# KiCad board LV_PCB.kicad_pcb (continued)
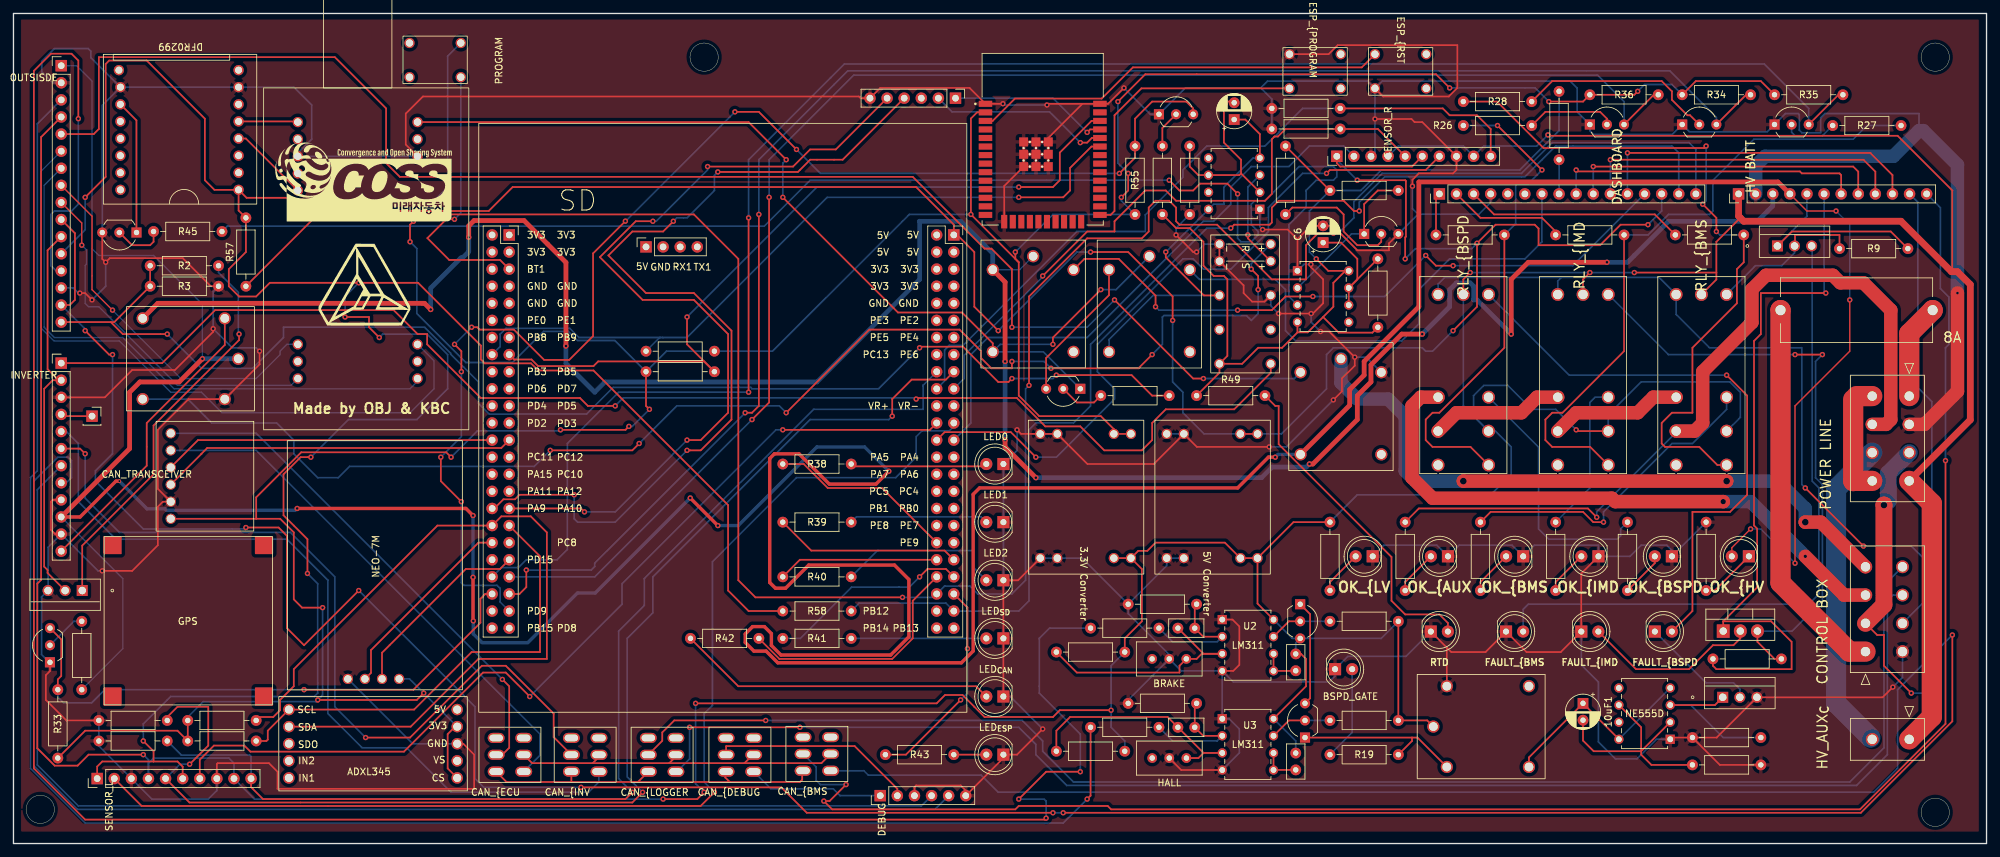
[diagram p0: board, top side]
## Nets (continued)
Net-(Q12-Pad2): Q12.2 R45.1
Net-(Q13-Pad1): Q13.1 R50.1 U14.2
Net-(Q13-Pad2): Q13.2 R51.1
Net-(Q14-Pad2): Q14.2 R47.2
Net-(R10-Pad1): R10.1 RLY1.5
Net-(R11-Pad1): R11.1 R28.1 RLY1.6
Net-(R13-Pad1): R13.1 RLY2.5
Net-(R14-Pad1): R14.1 R27.1 RLY2.6
Net-(R15-Pad1): R15.1 RLY3.5
Net-(R16-Pad1): R16.1 R26.1 RLY3.6
Net-(R38-Pad1): R38.1 U15.41
Net-(R39-Pad1): R39.1 U15.42
Net-(R40-Pad1): R40.1 U15.43
Net-(R41-Pad1): R41.1 U15.44
Net-(R42-Pad1): R42.1 U15.45
Net-(R43-Pad1): R43.1 U15.46
Net-(R45-Pad2): R45.2 U14.3
Net-(RLY1-Pad8): RLY1.8 RLY2.7
Net-(RLY2-Pad8): RLY2.8 RLY3.7
Net-(SW2-Pad2): SW2.2 U11.3
Net-(SW3-Pad1): SW3.1 SW4.1 SW5.1 SW6.1 SW7.1
Net-(SW3-Pad4): SW3.4 SW4.4 SW5.4 SW6.4 SW7.4
Net-(SW6-Pad3): CAN_TRANSCEIVER.6 SW6.3
Net-(SW6-Pad6): CAN_TRANSCEIVER.5 SW6.6
Net-(SW8-Pad1): SW8.1 U11.25
Net-(SW9-Pad2): PROGRAM.2 U15.94
Net-(U12-Pad4): U8.7 U12.4
Net-(U12-Pad5): U8.9 U12.5

Pads without a net: ACC 6 8 9 12 22; DASHBOARD 5 6; J11 3; K1 1; K2 1; K4 1; K5 1; K6 6 11; RLY1 9; RLY2 9; RLY3 9; RV1 3; RV2 3; SW3 2 5; SW4 2 5; SW5 2 5; SW6 2 5; SW7 2 5; U1 5 7; U8 x; U11 4 5 6 7 8 9 10 11 12 13 14 16 17 18 19 20 21 22 23 24 26 27 28 29 30 31 32 37; U12 2 3 6 8 9 12 13 14 15 16; U13 5 7; U14 5; U15 110 111 112 113 X

## Via types
v1: diameter 0.8, hole 0.4, Top to Bottom, 212 vias
v2: diameter 1, hole 0.4, Top to Bottom, 1 via
v3: diameter 1, hole 0.5, Top to Bottom, 1 via
v4: diameter 2, hole 0.8, Top to Bottom, 1 via
v5: diameter 2, hole 1, Top to Bottom, 3 vias
v6: diameter 0.5, hole 0.3, Top to Bottom, 1 via
v7: diameter 2.5, hole 1, Top to Bottom, 1 via

## Routing (per net, layer and track width the routed paths; a pad name or vN(x,y) marks a point on that pad's centre or on a via; arc(x,y) is an arc through that point)
/3.3V: length 557.5
  Top w0.25: v1(165.59,99.57) 165.59,97.03 v1(164.58,96.01) ; U6.3 U6.3 163.46,61.56 161.53,63.5 152.38,63.5 149.34,66.55 149.34,86.36 ; 65.92,9.75 64.5,11.17 64.5,16.26 65.61,17.37 65.92,17.37 ; v1(148.83,87.88) 148.83,86.87 149.34,86.36 ; v1(241.28,111.76) 240.78,111.25 R36.2 233.16,110.24 v1(228.08,110.24) ; v1(45.2,21.33) 45.2,21.34 59.92,21.34 v1(60.94,22.36) ; R35.2 259.57,113.28 249.92,113.28 R34.2 ; v1(213.34,112.27) 211.31,114.3 168.13,114.3 v1(164.07,110.24) ; 149.34,86.36 v1(142.22,93.47) 142.22,107.72 143.14,108.64 U11.2 ; v1(65.01,57.4) 64.28,58.13 42.74,58.13 36.06,51.44 36.06,48.25 ; v1(81.26,61.47) 90.92,61.47 v1(91.42,61.98) ; v1(45.92,35.05) 42.87,35.05 41.64,36.28 41.64,46.23 39.62,48.25 36.06,48.25 ; v1(94.47,64.52) 93.96,65.02 R54.2 ; 36.06,48.25 CAN_TRANSCEIVER.1 ; v1(58.91,89.41) 58.91,91.95 v1(59.42,92.46) ; R33.2 10.65,16.76 24.37,16.76 R53.2 25.89,18.8
  Bottom w0.25: v1(164.58,96.01) 164.58,95.5 R55.2 154.42,93.47 v1(148.83,87.88) ; 65.92,17.37 60.94,22.35 v1(60.94,22.36) 58.84,24.46 U10.1 ; v1(91.42,61.98) 91.93,61.98 v1(94.47,64.52) ; PROGRAM.1 64.5,116.99 64.5,97.54 v1(59.42,92.46) ; v1(81.26,61.47) 81.11,61.31 68.91,61.31 v1(65.01,57.4) ; 25.89,18.8 28.18,21.08 44.95,21.08 v1(45.2,21.33) 45.92,22.05 v1(45.92,35.05) ; v1(241.28,111.76) 242.3,112.78 246.36,112.78 R34.2 ; v1(142.22,93.47) 133.08,93.47 112.76,73.15 R52.2 97.01,73.15 R54.2 89.33,74.73 83.81,74.73 82.44,76.1 78.76,76.1 74.13,71.47 67.2,71.47 59.93,78.74 59.93,88.39 v1(58.91,89.41) ; v1(164.07,110.24) 164.07,101.09 v1(165.59,99.57) ; v1(228.08,110.24) 226.04,112.27 v1(213.34,112.27)
ACC_{SCL}: length 69.1
  Top w0.25: R53.1 37.58,15.24 37.78,15.44 37.78,16.76 ACC.14 59.52,19.91 68.06,28.45 78.22,28.45 78.22,42.67 U15.67
ACC_{SDA}: length 120.4
  Top w0.25: R56.1 36.56,18.8 38.59,18.8 39.61,19.81 39.61,21.34 41.64,23.37 41.64,25.91 62.98,47.24 U15.66 72.47,48.61 76.85,48.61 79.23,46.23 79.23,27.43 69.07,27.43 59.01,17.37 40.92,17.37
ADC2_IN0: length 173.5
  Top w0.25: v1(104.12,7.62) 102.09,5.59 19.04,5.59 SENSOR_L.2
  Bottom w0.25: U15.23 139.69,61.98 139.02,61.31 134.95,61.31 134.1,60.45 134.1,57.4 131.05,54.36 116.32,54.36 103.83,41.87 103.83,20.53 102.6,19.3 102.6,9.14 v1(104.12,7.62)
ADC2_IN1: length 138.5
  Top w0.25: v1(114.28,61.47) 136.13,61.47 U15.24 ; v1(76.69,21.84) 76.69,21.84 76.69,21.84 73.14,25.4 69.75,25.4 58,13.65 35.2,13.65 34.3,14.55 29.78,14.55 27.67,12.45 SENSOR_L.7
  Bottom w0.25: v1(114.28,61.47) 113.27,61.47 90.41,38.61 90.41,35.56 v1(76.69,21.84)
ADC2_IN2: length 85.6
  Bottom w0.25: SENSOR_R.2 197.6,103.63 192.52,103.63 189.47,100.58 183.88,100.58 180.83,97.54 180.83,95 178.29,92.46 176.77,92.46 159.5,75.18 144.76,75.18 142.22,72.64 142.22,62.48 U15.25
ADC2_IN3: length 106.9
  Top w0.25: SENSOR_R.7 209.79,100.08 195.56,100.08 v1(195.06,99.57) ; v1(151.88,57.4) 148.16,61.12 138.32,61.12 U15.26
  Bottom w0.25: v1(195.06,99.57) 191.5,99.57 186.42,94.49 186.42,90.93 180.83,85.34 176.77,85.34 175.24,86.87 173.72,86.87 161.02,74.17 161.02,70.1 163.56,67.56 163.56,66.04 154.92,57.4 v1(151.88,57.4)
ADC3_IN10: length 187.7
  Top w0.25: R5.1 22.84,18.8 24.37,20.32 28.94,20.32 28.94,14.55 v1(26.17,11.79) ; SENSOR_L.5 26.15,6.1 91.93,6.1 v1(93.46,7.62) ; v1(130.54,63.5) 130.54,66.04 133.43,68.93 138.51,68.93 U15.15
  Bottom w0.25: v1(26.17,11.79) 24.73,11.79 SENSOR_L.5 ; v1(93.46,7.62) 91.17,9.91 91.17,30.48 94.98,34.29 94.98,39.62 118.35,62.99 130.03,62.99 v1(130.54,63.5)
ADC3_IN11: length 168.2
  Top w0.25: SENSOR_L.10 35.3,8.38 37.07,6.6 90.92,6.6 v1(91.93,7.62)
  Bottom w0.25: SENSOR_L.10 35.3,12.95 35.09,13.15 24.93,13.15 R6.1 ; U15.16 135.11,68.07 135.11,68.07 135.11,64.52 118.86,64.52 93.71,39.37 93.71,35.37 89.9,31.56 89.9,9.65 v1(91.93,7.62)
ADC3_IN12: length 93.7
  Top w0.25: SENSOR_R.5 202.68,106.17 188.96,106.17 187.84,105.05 187.33,105.05 186.93,104.65 186.93,96.52 185.91,95.5 172.7,95.5 171.18,97.03 168.13,97.03 163.56,92.46 163.56,90.93 159.5,90.93 152.89,84.33 v1(152.89,84.33)
  Bottom w0.25: v1(152.89,84.33) 152.89,84.18 141.21,72.5 141.21,69.09 U15.17
ADC3_IN13: length 109.7
  Top w0.25: SENSOR_R.10 219.44,106.17 217.41,108.2 213.34,108.2 212.33,109.22 R8.1
  Bottom w0.25: R8.1 191.5,109.22 188.05,105.77 188.05,105.71 187.39,105.05 187.33,105.05 185.91,103.63 177.28,103.63 173.72,100.08 173.72,98.99 168.13,93.41 168.13,90.93 157.97,90.93 141.05,74.01 139.02,74.01 138.32,73.31 138.32,68.74 U15.18
AIR+: length 362.2
  Top w0.7: v1(67.63,90.07) 67.63,91.77 68.42,92.56 75.85,92.56 82.07,86.34 v1(82.07,73.92) ; v1(151.88,54.36) 147.3,58.93 v1(147.3,59.94) ; v1(192.52,56.39) 193.02,56.39 199.63,62.99 199.63,66.55 201.66,68.58 201.66,71.12 206.23,75.69 v1(209.28,75.69) ; v1(222.49,75.69) 222.49,83.82 225.03,86.36 v1(236.71,86.36) ; v1(147.3,71.63) 147.3,83.43 K4.2 ; v1(61.98,79.35) 61.07,80.26 21.43,80.26 K3.14
  Bottom w0.2: K4.7 149.48,85.26 K4.2
  Bottom w0.7: v1(236.71,86.36) 239.76,86.36 245.86,92.46 259.06,92.46 261.35,94.74 HV BATT.3 ; v1(151.88,54.36) 185.4,54.36 186.98,55.93 192.06,55.93 v1(192.52,56.39) ; v1(67.63,90.07) 67.63,87.94 66.71,87.02 66.47,87.02 61.98,82.53 v1(61.98,79.35) ; v1(209.28,75.69) 213.34,79.76 213.34,82.3 214.36,83.31 216.39,83.31 216.9,82.8 216.9,80.77 217.41,80.77 v1(222.49,75.69) ; K4.2 145.48,87.68 140.7,92.46 134.6,92.46 134.6,83.82 119.36,68.58 87.87,68.58 86.34,67.06 82.07,71.33 v1(82.07,73.92) ; v1(147.3,59.94) v1(147.3,71.63)
AIR-: length 686.7
  Top w0.2: v1(270.75,93.98) 266.42,93.98 HV BATT.4 ; v1(264.65,41.66) 264.65,65.02 272.78,73.15 v1(272.78,80.77) ; D10.2 255.26,43.95 v1(258.05,46.74)
  Top w0.5: v1(100.54,51.34) v1(104.63,47.24) ; v1(42.15,49.78) 67.22,49.78 v1(68.27,48.73) ; v6(15.73,53.85) 15.22,53.85 9.9,48.52 INVERTER.10 ; v1(68.31,33.08) 68.27,33.12 v1(68.27,39.55) ; v1(187.44,57.4) 186.42,57.4 181.85,52.83 143.51,52.83 142.57,51.89 142.57,28.6 140.82,26.86 113.54,26.86 111.81,28.59 109.99,28.59 108.71,29.87 108.71,31.14 109.8,32.23 111.55,32.23 112.59,31.19 112.59,29.43 114.01,28.01 130.3,28.01 133.01,30.72 133.01,39.23 130.88,41.37 118.13,41.37 114.69,37.93 113.2,37.93 112.34,38.79 112.34,57.21 113.03,57.9 116.7,57.9 121.19,53.41 128.12,53.41 v1(130.03,55.31)
  Top w0.7: v1(28.07,72.03) 24.62,68.58 18.78,68.58 17.26,67.06 17.26,58.68 INVERTER.10 ; HV BATT.4 262.11,98.3 208.77,98.3 208.77,79.76 200.64,71.63 200.64,69.6 198.49,67.45 198.49,65.11 K2.14
  Bottom w0.2: 41.86,49.5 v1(42.15,49.78) ; OUTSISDE.1 9.38,115.57 11.67,113.28 11.67,88.39 12.68,87.38 20.81,87.38 28.07,80.12 v1(28.07,72.03) ; v1(264.65,41.66) 259.57,46.74 v1(258.05,46.74) ; v1(270.75,93.98) 272.78,91.95 v1(272.78,80.77) ; INVERTER.10 16.24,39.38 16.24,28.96 R24.1
  Bottom w0.5: v6(15.73,53.85) 19.85,49.73 22.52,49.73 22.67,49.58 ; v1(100.54,51.34) 86.42,37.22 83.78,37.22 76.41,29.85 69.61,29.85 68.31,31.15 v1(68.31,33.08) ; v1(104.63,47.24) 107.68,47.24 119.36,58.93 126.42,58.93 v1(130.03,55.31) ; v1(68.27,48.73) v1(68.27,39.55) ; v1(187.44,57.4) 187.85,57.82 K2.14 ; 22.75,49.5 41.86,49.5
  Bottom w0.7: v1(28.07,72.03) K3.7
AIR_DRIVE: length 44.7
  Top w0.25: INVERTER.12 19.8,56.14 19.8,62.48 31.39,74.08 K3.2
BMS_FAULT: length 30.9
  Top w0.25: Q2.1 264.19,90.93 278.88,90.93 R9.1
  Bottom w0.25: Q2.1 262.04,88.83 266.42,93.21 266.42,96.52
BMS_Pin: length 245.6
  Top w0.25: R34.1 257.39,111.25 Q8.3 ; v1(108.7,64.01) 109.71,64.01 110.73,65.02 v1(110.73,93.47) ; v1(76.18,40.64) 76.18,38.1 75.17,37.08 U15.59
  Bottom w0.25: Q8.3 252.97,107.89 246.05,114.81 123.94,114.81 110.73,101.6 v1(110.73,93.47) ; v1(76.18,40.64) 85.84,40.64 86.34,41.15 86.34,41.66 v1(108.7,64.01)
BOTS_{1}: length 435.7
  Top w0.25: v1(51.29,37.59) 43.16,29.46 40.62,32 40.62,45.72 39.39,46.95 v1(34.53,46.95) ; v1(288.02,30.99) 288.02,18.16 274.43,4.57 v1(155.94,4.57) ; v1(14.72,72.64) 14.21,72.64 v1(10.65,76.2) ; v1(281.92,22.35) 277.86,26.42 277.86,30.99 276.85,30.99 J3.2 ; OUTSISDE.10 9.13,90.68 9.13,80.77 8.37,80.01 OUTSISDE.15 ; v1(154.42,4.57) 117.84,4.57 114.07,8.34 v1(84.31,8.34)
  Top w2.5: 277.86,37.08 v7(277.86,50.29) ; 277.86,36.58 277.86,35.46 J3.2
  Bottom w0.25: v1(10.65,76.2) 10.65,76.45 OUTSISDE.15 ; v1(84.31,8.34) 69.87,8.34 68.56,9.65 68.56,20.32 v1(51.29,37.59) ; v1(14.72,72.64) 14.72,57.91 12.18,55.37 12.18,53.85 19.29,46.74 34.31,46.74 v1(34.53,46.95) ; v1(154.42,4.57) v1(155.94,4.57) ; v1(281.92,22.35) 284.46,22.35 285.99,23.88 285.99,28.96 v1(288.02,30.99)
  Bottom w2.5: v7(277.86,50.29) 278.52,50.95 278.52,54.98 J4.3
BOTS_{2}: length 821.8
  Top w0.25: v1(234.17,84.84) 233.16,83.82 RLY2.3 ; 252.97,84.84 v1(240.78,84.84) ; 252.97,84.84 252.97,83.81 RLY1.3 ; 252.97,84.84 252.97,89.41 256.52,92.96 ; U5.1 184.8,35.66 U2.8 ; U5.1 190.15,47.75 R1.1 ; U5.1 U5.1 179.96,44.7 169.66,44.7 168.44,43.49 167.09,43.49 U6.1 ; U6.1 U6.1 ; U6.1 167.62,40.79 167.62,33.02 165.08,30.48 R30.2 ; RLY3.3 215.38,83.82 v1(216.39,84.84) ; v1(101.33,20.83) 137.14,20.83 138.38,22.06 141,22.06 142.73,20.33 142.73,20.32 144.26,18.8 154.42,18.8 155.43,19.81 v1(163.05,19.81) ; K1.7 210.02,18.29 R21.2 R20.1 ; OUTSISDE.4 4.11,104.96 4.11,39.17 3.54,38.61 3.54,14.16 6.12,11.58 9.53,11.58 11.16,13.21 v1(19.29,13.21) ; v1(232.14,61.47) 232.33,61.28 RLY2.4 ; C1.1 191.27,28.17 192.01,27.43 192.01,23.37 U3.8 ; 288.02,84.96 288.02,97.03 279.89,105.16 228.08,105.16 v1(227.94,105.29) ; v1(96.5,6.6) 101.58,6.6 v1(102.6,7.62)
  Top w1: J4.4 290.69,62.95 290.69,83.06 288.78,84.96 287.89,84.96 280.4,92.46 257.03,92.46 256.26,93.22 HV BATT.1
  Top w3: J6.1 284.97,18.83 284.97,50.53 J4.4
  Bottom w0.25: U2.8 189.98,30.48 Q5.3 ; R20.1 203.18,30.48 Q5.3 ; v1(96.5,6.6) 35.8,6.6 32.76,9.65 32.76,11.93 31.99,12.7 20.81,12.7 20.06,11.94 SENSOR_L.4 20.06,12.44 v1(19.29,13.21) ; C2.1 190.48,15.24 U3.8 ; Q5.3 190.48,29.82 C1.1 ; v1(227.94,105.29) 226.29,103.63 218.42,103.63 SENSOR_R.9 215.38,103.63 205.72,103.63 SENSOR_R.4 ; v1(101.33,20.83) 101.33,8.89 v1(102.6,7.62) ; RLY3.4 216.9,63.51 216.9,66.55 218.42,68.07 221.98,68.07 225.54,64.52 229.09,64.52 v1(232.14,61.47) ; RLY3.4 220.14,61.28 222.49,58.93 222.49,54.86 219.44,51.82 199.63,51.82 R1.1 ; RLY3.4 215.38,65.03 RLY3.3 ; R30.2 163.05,26.42 v1(163.05,19.81) 163.05,17.27 165.08,15.24 R31.2 ; v1(216.39,84.84) v1(234.17,84.84) v1(240.78,84.84) ; RLY2.4 236.91,63.69 241.79,68.58 255,68.58 256.52,67.06 256.52,63.31 RLY1.4
BRAKE_LIGHT-: length 57.6
  Top w0.25: Q1.2 5.06,40.2 5.06,40.64 4.56,41.15 4.56,67.56 5.83,68.84 INVERTER.2 6.71,68.84 5.06,70.49 5.06,88.14 OUTSISDE.11
BRAKE_SW_{2}: length 197.4
  Top w0.25: v1(154.92,69.6) 166.1,69.6 169.15,66.55 R37.1 ; R2.2 R3.2 14.97,77.47 14.46,77.47 ; v1(134.6,73.66) 134.76,73.82 141.05,73.82 146.29,68.58 147.81,68.58 v1(148.32,69.09) ; 14.46,77.47 OUTSISDE.16 ; 14.46,77.47 16.24,75.69 v1(22.84,75.69)
  Bottom w0.25: v1(22.84,75.69) 27.92,70.61 35.54,70.61 40.12,75.18 40.12,76.71 61.07,76.71 64.95,72.83 64.95,72.7 66.82,70.83 66.84,70.83 69.07,68.6 69.07,65.39 70.65,63.82 85.14,63.82 89.1,67.78 109.5,67.78 109.72,67.56 128.51,67.56 v1(134.6,73.66) ; v1(154.92,69.6) 154.42,69.09 v1(148.32,69.09)
BRAKE_{GND}: length 1420.6
  Top w0.25: v1(152.89,17.02) 149.08,13.21 D16.1 147.06,12.71 DEBUG.6 141.46,7.87 140.7,8.64 134.1,8.64 133.84,8.38 DEBUG.3 ; R3.1 29.32,82.8 25.15,86.98 14.32,86.98 v1(13.7,86.36) 13.19,86.87 Q12.3 ; INVERTER.3 13.58,66.3 17.64,70.36 23.99,70.36 29.66,76.04 v1(29.66,76.49) ; SW2.1 203.45,111 213.22,111 214.49,112.27 214.49,118.62 196.71,118.62 195.37,117.28 SW8.2 ; v1(202.25,107.65) 207.67,107.65 208.14,107.19 209.28,107.19 SENSOR_R.8 214.36,100.08 213.85,99.57 208.77,99.57 207.82,98.62 v1(207.82,97.66) ; U6.2 149.24,39.12 D13.1 D14.1 D15.1 ; SENSOR_L.8 30.22,11.82 30.34,11.94 37.96,11.94 39.23,10.67 39.23,8.13 68.44,8.13 68.44,13.21 66.82,14.83 ACC.2 ; v1(194.17,76.07) 195.44,76.07 v1(199.25,72.26) 199.25,70.99 197.34,69.09 197.34,67.18 v1(196.07,65.91) ; U8.2 58.28,103.85 58.28,108.46 60.82,111 125.59,111 125.84,110.74 J11.6 128.76,112.27 142.03,112.27 U11.1 146.97,109.91 v1(146.98,109.92) ; INVERTER.9 5.83,51.06 5.57,50.8 5.57,46.61 6.2,45.98 INVERTER.11 ; U2.1 181.09,33.27 182.1,32.26 182.1,26.54 181.21,25.65 U2.4 ; U11.39_1 153.12,104.24 158.79,109.91 ; U11.39_1 U11.39_3 U11.39_9 U11.39_7 ; U11.39_1 U11.39_7 ; K1.6 212.92,29.12 ; 212.92,29.12 213.59,28.45 218.67,28.45 D2.1 224.77,28.45 229.85,28.45 D5.1 232.9,40.12 D6.1 ; 212.92,29.12 D17.1 ; U11.39_2 U11.39_8 ; R17.1 253.01,15.75 Q4.3 277.67,21.73 v1(279.18,23.24) ; R17.1 253.48,11.68 R18.2 ; R17.1 246.36,15.75 U1.1 ; 186.77,81.44 185.85,80.52 184.01,80.52 182.74,81.79 182.74,82.93 K6.15 K6.16 ; v1(175.75,87.88) 175.24,87.88 v1(172.7,90.42) ; U3.4 173.48,10.92 RV2.2 ; 190.74,89.79 192.73,91.78 C6.2 196,91.78 199.64,88.14 204.33,88.14 204.33,89.18 Q13.3 ; 190.74,89.79 U14.1 ; 190.74,89.79 189.3,91.22 v1(185.56,91.22) ; v1(13.19,40.51) 17.64,40.51 21.45,44.32 21.45,50.04 22.2,50.79 CAN_TRANSCEIVER.2 21.45,52.71 21.45,61.47 26.01,66.03 K3.6 36.56,71.2 v1(36.56,73.15) ; U11.39_7 147.18,97.69 U11.15 ; R5.2 7.86,18.29 4.81,21.34 4.81,25.02 5.42,25.63 Q7.1 ; v1(192.73,86.05) 192.73,85.64 194.55,83.82 194.55,80.26 193.02,78.74 v1(192.77,78.74) v1(187.94,78.74) ; v1(9.85,81.79) 10.65,81.79 v1(11.67,80.77) ; U11.39_6 U11.39_4 ; v1(164.96,112.27) 162.6,109.91 U11.38 153.71,109.91 v1(153.53,109.73) ; v1(186.55,58.93) 175.8,58.93 U5.4 169.4,56.41 169.4,56.39 159.54,56.39 U6.4 U6.4 149.69,60.87 v1(149.08,61.47)
  Top w2: J4.2 283.88,62.28 288.78,67.18 v2(288.78,81.79)
  Bottom w0.25: OUTSISDE.14 8.87,82.55 9.64,81.79 v1(9.85,81.79) ; Q12.3 13.19,109.67 15.89,112.37 ; v1(196.07,65.91) 189.09,58.93 v1(186.55,58.93) ; SENSOR_R.3 202.25,102.7 v1(202.25,107.65) SW2.1 ; Q7.1 5.32,26.92 4.17,28.07 4.17,36.63 Q1.3 5.14,44.02 INVERTER.11 12.56,40.51 v1(13.19,40.51) ; Q13.3 208.65,93.5 ; 208.65,93.5 217.69,93.5 219.44,95.25 DASHBOARD.4 ; 208.65,93.5 207.82,94.32 v1(207.82,97.66) ; SENSOR_L.8 30.22,7.88 28.94,6.6 20.56,6.6 SENSOR_L.3 12.68,14.48 R6.2 R5.2 ; SW2.1 203.34,113.28 231.25,113.28 232.27,112.27 232.27,108.73 Q10.1 234.17,105.89 234.71,105.36 246.42,105.36 Q8.1 248.96,105.75 260.53,105.75 Q9.1 263.23,108.46 265.12,108.46 265.29,108.29 265.29,105.99 265.68,105.61 268.46,105.61 268.46,107.82 269.1,108.46 283.07,108.46 283.07,105.92 ; SW2.1 201.16,113.28 186.29,113.28 185.28,112.27 ; 185.28,112.27 186.93,110.62 R8.2 R7.2 ; 185.28,112.27 174.08,112.27 Q14.1 168.87,108.35 v1(164.96,112.27) ; v1(175.75,87.88) 176.93,89.06 K6.16 ; K2.6 200.95,72.26 v1(199.25,72.26) ; v1(185.56,91.22) 185.15,91.63 U13.1 ; D5.1 232.9,26.55 235.44,24 235.44,15.11 237.98,12.57 241.16,12.57 244.08,15.49 U1.1 ; RV1.2 171.69,28.07 165.59,34.16 R22.2 ; RV1.2 173.47,25.65 U2.4 ; RV1.2 165.59,21.34 R23.2 ; D15.1 148.07,21.84 v1(152.89,17.02) ; v1(172.7,90.42) 172.7,91.44 R44.1 ; D17.1 206.86,27.81 198.23,27.81 D9.1 196.32,24.89 195.44,24 181.21,24 U2.4 ; D1.1 203.57,44.32 211.44,44.32 D3.1 214.75,44.32 222.62,44.32 D4.1 225.92,44.32 235.44,44.32 235.45,44.32 D6.1 240.14,42.67 241.79,44.32 245.6,44.32 246.36,43.56 D8.1 R25.2 ; R22.2 158.75,42.41 U6.2 U6.2 ; R22.2 171.32,41.29 U5.2 U5.2 ; U3.4 182.1,13.46 182.1,17.02 180.58,18.54 U3.1 U2.4 ; U10.4 59.31,14.83 ACC.2 ; 186.77,81.44 186.77,79.92 v1(187.94,78.74) ; 15.89,112.37 11.49,116.77 11.49,117.73 11.11,118.11 6.08,118.11 4.2,116.23 4.2,114.66 5.83,113.03 OUTSISDE.2 ; 15.89,112.37 U12.7 41.67,112.37 44.31,109.73 44.31,104.65 42.24,102.58 42.24,102.11 U8.2 ; v1(11.67,80.77) 13.7,82.8 v1(13.7,86.36) ; U14.1 191.7,86.05 v1(192.73,86.05) ; v1(149.08,61.47) 149.08,58.42 D11.1 D12.1 D13.1 ; v1(146.98,109.92) 147.18,109.73 v1(153.53,109.73) ; v1(279.18,23.24) 280.62,24.68 J3.5 ; v1(36.56,73.15) 36.05,73.66 32.5,73.66 v1(29.66,76.49) 29.66,82 R3.1 ; U5.4 U5.4 ; v1(194.17,76.07) 192.77,77.47 v1(192.77,78.74)
  Bottom w2: 258.8,96.52 258.8,100.71 260.21,102.11 279.26,102.11 283.07,105.92 283.7,105.92 288.78,100.84 v2(288.78,81.79)
BRAKE_{PWR}: length 670.6
  Top w0.25: v1(242.81,91.95) 238.74,91.95 235.7,88.9 226.55,88.9 226.55,91.37 225.98,91.95 220.17,91.95 v1(217.41,89.19) 217.41,79.76 v1(213.85,76.2) ; SENSOR_L.6 25.14,11.43 24.37,12.19 20.81,12.19 ; v1(10.65,96.01) 13.7,99.06 13.7,115.82 14.21,116.33 19.8,116.33 28.43,107.7 28.43,98.55 29.86,97.13 U12.1 ; SENSOR_R.6 207.76,100.58 197.09,100.58 196.58,101.09 SENSOR_R.1 ; U12.1 33.44,94.05 R57.2 34.53,87.88 31.99,85.34 31.99,82.8 33.51,81.28 36.05,81.28 38.08,83.31 v1(51.29,83.31) 60.11,83.31 69.44,73.98 69.44,71.92 70.02,71.34 76.9,71.34 77.96,70.28 86.17,70.28 106.16,50.29 106.16,37.59 109.2,34.54 R58.2 ; U12.1 34.63,95.94 41.2,95.94 43.16,93.98 70.6,93.98 74.15,97.54 134.1,97.54 139.69,91.95 U15.100 140.19,90.42 142.73,87.88 142.73,79.76 v1(146.29,76.2) ; 20.81,12.19 13.19,12.19 12.44,11.44 SENSOR_L.1 ; 20.81,12.19 20.81,13.72 v1(19.29,15.24) ; v1(199.63,98.55) 206.74,98.55 206.85,98.44 206.85,90.18 206.74,90.07 v1(206.74,86.87) ; v1(49.26,78.23) 52.82,78.23 52.82,76.71 v1(54.34,75.18) ; U5.3 U5.3 ; v1(44.18,57.4) 42.66,57.4 40.12,54.86 40.12,48.77 43.67,45.21 v1(43.67,40.13) ; v1(160,87.88) 165.59,87.88 172.2,81.28 v1(172.2,77.72)
  Bottom w0.25: v1(206.74,86.87) 208.26,88.39 216.61,88.39 v1(217.41,89.19) ; SENSOR_R.1 196.58,101.6 v1(199.63,98.55) ; v1(44.18,57.4) 49.77,62.99 59.93,62.99 64.5,67.56 64.5,72.64 61.45,75.69 54.85,75.69 v1(54.34,75.18) ; v1(51.29,83.31) 49.26,81.28 v1(49.26,78.23) ; v1(172.2,77.72) 172.2,68.58 173.72,67.06 173.72,64.01 176.86,60.87 U5.3 ; DASHBOARD.14 244.84,93.98 v1(242.81,91.95) ; v1(10.65,96.01) 10.65,91.19 OUTSISDE.12 ; v1(19.29,15.24) 19.29,17.78 23.35,21.84 44.69,21.84 45.2,22.35 45.2,38.61 v1(43.67,40.13) ; v1(213.85,76.2) 210.8,73.15 209.79,73.15 209.28,73.66 196.07,73.66 195.06,72.64 195.06,67.56 188.36,60.87 U5.3 ; v1(146.29,76.2) 157.97,87.88 v1(160,87.88)
BRAKE_{SIG}: length 349
  Top w0.25: v1(9.64,107.7) 9.64,116.33 8.62,117.35 5.57,117.35 3.03,114.81 3.03,11.17 10.64,3.56 153.18,3.56 v1(153.4,3.77) ; v1(149.34,6.6) 153.4,10.67 v1(158.48,10.67)
  Bottom w0.25: v1(9.64,107.7) 9.64,95 8.62,93.98 6.08,93.98 5.57,93.47 5.57,85.85 6.33,85.09 OUTSISDE.13 ; R29.2 153.91,32 152.38,30.48 152.38,22.35 158.48,16.26 v1(158.48,10.67) ; v1(149.34,6.6) 153.11,6.6 153.4,6.31 v1(153.4,3.77)
BSPD_Pin: length 229.6
  Top w0.25: v1(109.71,62.99) 112.25,65.53 v1(112.25,96.01) ; Q10.3 243.68,111.25 R36.1
  Bottom w0.25: v1(112.25,96.01) 112.25,101.6 124.83,114.17 235.32,114.17 239.25,110.24 Q10.3 ; U15.61 86.34,39.62 v1(109.71,62.99)
CAN1_{RX}: length 49.5
  Top w0.25: CAN_TRANSCEIVER.4 23.36,55.87 23.35,55.88 27.42,59.94 U15.81
CAN1_{TX}: length 53
  Top w0.25: CAN_TRANSCEIVER.3 27.92,57.89 27.92,57.91 28.78,58.77 72.47,58.77 U15.82
CAN_H_{BMS}: length 250.1
  Bottom w0.25: HV BATT.11 282.89,95.29 282.89,67.76 284.97,65.68 284.97,34.04 284.41,33.47 284.41,27.37 279.89,22.86 279.89,11.2 276.31,7.62 146.29,7.62 143.75,10.16 126.98,10.16 126.33,10.82 SW3.6
CAN_H_{DEBUG}: length 20.3
  Bottom w0.25: SW7.6 112.53,8.13 121.78,8.13 122.79,7.11 DEBUG.1
CAN_H_{INV}: length 120.9
  Bottom w0.25: INVERTER.5 7.85,61.22 9.64,59.44 9.64,50.8 15.22,45.21 40.62,45.21 46.72,39.12 46.72,19.3 51.8,14.22 58.4,14.22 65.01,7.62 85.43,7.62 86.98,9.16 SW4.6
CAN_H_{LOGGER}: length 217.3
  Top w0.25: v1(100.44,17.27) v1(116.82,17.27)
  Bottom w0.25: J3.7 279.22,36.92 278.37,36.07 278.37,13.21 273.8,8.64 156.45,8.64 151.88,13.21 151.88,14.73 149.34,17.27 v1(116.82,17.27) ; v1(100.44,17.27) 100.44,12.57 98.56,10.69 SW5.6
CAN_L_{BMS}: length 267.2
  Top w0.25: v1(287,56.9) 287,17.78 274.3,5.08 163.05,5.08 162.54,5.59 149.34,5.59 148.83,5.08 121.61,5.08 v1(120.38,6.31) 121.23,6.31 v1(123.68,8.76) ; 117.17,13.19 117.52,13.19
  Bottom w0.25: SW3.3 119.24,11.37 119.24,9.4 119.87,8.76 v1(123.68,8.76) ; HV BATT.12 286.24,94.48 286.24,82.45 287.51,81.18 287.51,74.17 287,73.66 v1(287,56.9)
CAN_L_{DEBUG}: length 30.4
  Top w0.25: DEBUG.2 131.3,8.13 124.95,14.48 105.9,14.48 105.86,14.44 SW7.3
CAN_L_{INV}: length 120.7
  Top w0.25: v1(10.65,57.91) 9.89,58.68 INVERTER.6 ; v1(52.31,15.75) 58.91,15.75 69.58,26.42 73.14,26.42 80.25,19.3 80.25,15.82 SW4.3
  Bottom w0.25: v1(52.31,15.75) 47.74,20.32 47.74,39.62 41.13,46.23 15.73,46.23 10.65,51.31 v1(10.65,57.91)
CAN_L_{LOGGER}: length 221.2
  Top w0.25: SW5.3 96.38,15.26 96.38,16.51 98.16,18.29 v1(111.74,18.29)
  Bottom w0.25: v1(111.74,18.29) 149.84,18.29 152.89,15.24 152.89,13.72 157.46,9.14 272.78,9.14 277.86,14.22 277.86,38.36 J3.8
ESP_RX: length 27
  Top w0.25: v1(158.48,104.14) 159.5,104.14 160.18,104.83 U11.34
  Bottom w0.25: v1(158.48,104.14) 153.91,108.71 139.43,108.71 J11.2
ESP_TX: length 23.7
  Top w0.25: v1(159.5,105.66) 159.93,106.1 U11.35
  Bottom w0.25: v1(159.5,105.66) 154.42,110.74 J11.1
ESP_{SCL}: length 117.7
  Top w0.25: v1(149.34,97.54) 154.42,97.54 155.43,98.55 155.43,102.66 160.14,107.37 U11.36 ; U15.93 74.37,71.92 76.96,71.92 77.94,70.94 86.16,70.94 86.85,71.63 102.6,71.63 R54.1 100.06,74.17 v1(100.06,78.23)
  Bottom w0.25: v1(149.34,97.54) 119.36,97.54 v1(100.06,78.23)
ESP_{SDA}: length 110.6
  Top w0.25: v1(149.34,96.01) 155.94,96.01 156.96,97.03 156.96,100.37 160.14,103.56 U11.33
  Bottom w0.25: R52.1 96,75.18 96.5,75.18 ; v1(149.34,96.01) 120.89,96.01 100.06,75.18 96.5,75.18 ; 96.5,75.18 83.99,75.18 82.63,76.55 73.16,76.55 72.28,75.67 72.28,73.82 U15.92
FORWARD_ENABLE: length 201.2
  Top w0.25: 186.77,71.28 186.77,69.95 181.34,64.52 171.18,64.52 169.15,62.48 169.15,59.94 167.62,58.42 162.04,58.42 158.48,61.98 153.27,61.98 149.05,66.2 134.25,66.2 v1(134.1,66.04) ; v1(89.39,65.02) 85.33,65.02 84.15,66.2 69.42,66.2 61.45,74.17 61.45,75.69 60.04,75.69 56.47,79.25 29.96,79.25 22.09,71.38 INVERTER.1
  Bottom w0.25: v1(89.39,65.02) 90.57,66.2 133.94,66.2 v1(134.1,66.04)
GPS_{RX}: length 28.5
  Top w0.25: U15.63 72.28,40.8 67.2,40.8 54.75,28.35 U10.2
GPS_{TX}: length 29.3
  Top w0.25: U10.3 53.11,25.36 53.11,28.74 69.07,44.7 U15.64
HALL_{SIG}: length 273.9
  Top w0.25: R32.2 160,7.11 v1(159.5,6.6)
  Bottom w0.25: v1(159.5,6.6) 155.94,3.05 10.65,3.05 2.52,11.18 2.52,54.36 3.54,55.37 3.54,106.93 OUTSISDE.3
HV_ACTIVE_Pin: length 84.8
  Top w0.25: v1(43.16,22.86) 59.42,22.86 69.37,32.81 69.37,36.37 70.09,37.08 U15.58 ; Q7.3 7.1,30.33 7.1,24.89 6.59,24.38 R33.1
  Bottom w0.25: v1(43.16,22.86) 13.57,22.86 11.62,20.9 7.45,20.9 6.59,21.77 R33.1
HV_AUX_{L1}: length 18
  Top w0.25: 273.32,53.88 273.29,53.85
  Top w1: 273.29,65.97 273.8,66.48
  Top w3: 273.8,66.48 J4.5 ; J4.8 273.32,53.88 ; 273.29,53.85 273.29,65.97
HV_AUX_{L2}: length 117.8
  Top w0.25: v1(235.19,48.48) 233.88,49.78 208.77,49.78 R4.1
  Top w2: RLY1.7 249.73,61.28 250.94,62.48 250.94,70.1 258.25,77.42 258.25,82.34 260.34,84.43 270.27,84.43 271.38,83.31 274.81,83.31 278.88,79.25 278.88,62.99 278.16,62.28 J4.6
  Bottom w0.25: RLY1.7 246.99,61.09 235.19,49.28 v1(235.19,48.48)
HV_AUX_{R1}: length 46.7
  Bottom w3: J4.7 270.75,52.71 270.75,20.85 275.85,15.75
HV_MASTER_{1}: length 89.7
  Top w2: v4(253.98,50.8) 237.96,50.8 237.45,51.31 210.8,51.31 207.76,54.36 207.76,65.02 209.05,66.32 RLY3.8 ; J3.3 271.93,36.92 v3(266.18,42.67)
  Bottom w2: v3(266.18,42.67) 258.05,50.8 v4(253.98,50.8)
HV_MASTER_{2}: length 98.7
  Top w2: J3.4 268.48,47.75 v5(266.18,47.75) ; v5(254.49,53.85) v5(215.38,53.85)
  Bottom w2: K2.7 197.2,68.47 199.63,66.04 204.2,66.04 206.74,63.5 206.74,55.37 208.26,53.85 v5(215.38,53.85) ; v5(266.18,47.75) 266.18,49.78 262.11,53.85 v5(254.49,53.85)
HVD_{2}: length 228.4
  Top w0.25: v1(148.32,76.71) 148.32,85.34 145.27,88.39 144.26,88.39 133.59,99.06 57.39,99.06 55.36,101.09 55.36,109.22 47.74,116.84 12.68,116.84 12.68,106.17 11.92,105.41 OUTSISDE.5 ; v1(176.77,69.09) 175.24,69.09 v1(163.56,80.77)
  Bottom w0.25: v1(148.32,76.71) 159.5,76.71 v1(163.56,80.77) ; v1(176.77,69.09) 190.27,69.09 K2.2
IMD_FAULT: length 105.8
  Top w0.25: 253.98,33.02 259.02,38.06 259.02,46.79 258.56,47.25 258.56,74.68 259.57,75.69 259.57,81.79 v1(269.22,81.79) ; 253.98,33.02 Q3.1 ; 253.98,33.02 261.1,33.02 264.14,29.97 264.14,25.91 252.97,25.91 252.46,26.42 R12.2
  Bottom w0.25: v1(269.22,81.79) 268.97,82.05 HV BATT.6
IMD_Pin: length 268.6
  Top w0.25: R35.1 271.11,111.25 Q9.3 ; v1(109.2,92.96) v1(109.2,67.06)
  Bottom w0.25: v1(109.2,92.96) 109.2,101.6 123.43,115.82 260.08,115.82 266.68,109.22 Q9.3 ; v1(109.2,67.06) 89.9,67.06 82.28,59.44 82.28,43.69 80.76,42.16 76.18,42.16 75.01,40.99 72.47,40.99 U15.60
LATCH_{BMS}: length 32.5
  Top w0.25: DASHBOARD.3 219.95,93.47 243.82,93.47 R11.2
LATCH_{BSPD}: length 6.3
  Top w0.25: DASHBOARD.1 211.31,96.01 R16.2
LATCH_{IMD}: length 17.6
  Top w0.25: DASHBOARD.2 217.92,92.96 227.06,92.96 229.09,90.93 R14.2
LCD_{SCL}: length 348.6
  Top w0.25: v1(150.86,68.07) 150.86,81.28 159.5,89.92 167.62,89.92 168.64,90.93 168.64,94.49 169.66,95.5 171.69,95.5 172.7,94.49 172.7,92.46 173.21,91.95 178.8,91.95 186.93,83.82 192.01,83.82 192.01,88.9 193.76,90.65 196.05,90.65 v1(196.07,90.68) ; v1(132.06,36.58) 110.22,36.58 107.68,39.12 107.68,86.87 101.08,93.47 45.2,93.47 R57.1
  Bottom w0.25: U15.47 138.32,38.26 142.07,38.26 143.24,37.08 148.32,37.08 150.35,39.12 150.35,67.56 v1(150.86,68.07) ; DASHBOARD.16 249.92,103.12 248.9,104.14 228.58,104.14 224.01,99.57 203.31,99.57 199.12,95.38 199.12,92.96 196.83,90.68 v1(196.07,90.68) ; 136.83,36.77 136.64,36.58 v1(132.06,36.58)
LCD_{SDA}: length 182.6
  Top w0.25: v1(180.83,91.44) 181.34,91.95 186.61,91.95 186.93,92.27 186.93,94.49 187.94,95.5 197.6,95.5 199.12,93.98 v1(199.92,93.98)
  Bottom w0.25: v1(199.92,93.98) 199.92,95.29 203.69,99.06 224.52,99.06 229.09,103.63 246.36,103.63 247.38,102.62 DASHBOARD.15 ; v1(180.83,91.44) 177.28,91.44 160,74.17 160,65.02 157.46,62.48 151.88,62.48 150.86,61.47 150.86,36.07 149.34,34.54 U15.48 138.51,35.72 125.62,35.72 R58.1
LV+: length 14.2
  Top w3: 8A.2 281.62,75.77 J4.1
LV_MASTER_{1}: length 57.4
  Top w3: 8A.1 262.5,38.73 272.71,28.52 J3.1
RESET_{2}: length 118.9
  Top w0.25: v1(266.18,52.83) v1(274.81,44.2)
  Bottom w0.25: RLY3.1 211.63,83.12 212.62,84.11 229.94,84.11 ; v1(274.81,44.2) 281.92,44.2 283.96,42.16 283.96,36.05 J3.6 ; 229.94,84.11 244.46,84.11 RLY1.1 246.99,78.62 251.95,73.66 265.67,73.66 265.67,53.34 v1(266.18,52.83) ; 229.94,84.11 229.41,83.57 RLY2.1
RTD_ACTIVE_Pin: length 196.5
  Top w0.25: v1(66.54,70.11) 66.54,73.16 v1(65.52,74.17) ; v1(116.32,103.12) 110.73,108.71 v1(107.17,108.71) ; v1(68.06,76.71) 68.88,76.71 69.23,76.36 74.33,76.36 78.83,71.86 82.56,71.86 86.1,75.4 86.1,87.68 v1(90.9,92.48) ; v1(66.53,50.8) 63.48,53.85 v1(63.48,57.4) ; v1(164.28,99.57) 166.61,101.89 R55.1 166.61,107.7 169.15,110.24 174.23,110.24 175.24,109.22 Q14.3
  Bottom w0.25: U15.57 72.28,35.91 72.28,37.92 71.84,38.36 66.91,38.36 66.53,38.74 v1(66.53,50.8) ; v1(107.17,108.71) 90.94,92.48 v1(90.9,92.48) ; v1(164.28,99.57) 119.87,99.57 v1(116.32,103.12) ; v1(66.54,70.11) 66.54,60.46 v1(63.48,57.4) ; v1(65.52,74.17) v1(68.06,76.71)
